# Allegro board BeagleBone AI -64_PCB_V1.02_211119.brd (continued)
## Placement (name value [footprint] x y rotation side) (continued)
C418  1uF  [EMIFIL_0402_3P]  8.44 32.66 90 top
C419  100nF  [C0201]  9.34 68.4 270 top
C420  1uF  [C0402]  9.5 58.2 270 top
C421  4.7uF  [C0603]  -18.56 14.78 270 bottom
C422  10uF  [EMIFIL_0805_3P]  9.89 32.49 90 top
C423  470nF  [C0402]  9.84 63.63 0 top
C424  470nF  [C0402]  9.84 61.73 0 top
C425  470nF  [C0402]  9.84 59.82 0 top
C426  10uF  [EMIFIL_0805_3P]  10.96 65.57 180 top
C427  4.7uF  [C0603]  10.85 57.72 270 top
C428  470nF  [C0402]  10.88 48.04 0 top
C429  470nF  [C0402]  10.88 45.5 0 top
C430  470nF  [C0402]  10.88 39.15 0 top
C431  1uF  [EMIFIL_0402_3P]  10.88 35.47 180 top
C432  1uF  [EMIFIL_0402_3P]  11.36 30.56 90 top
C433  100nF  [C0201]  -23.15 21.64 90 top
C434  10uF  [C0805]  11.82 68.11 0 top
C435  1uF  [EMIFIL_0402_3P]  12.08 63.66 180 top
C436  1uF  [EMIFIL_0402_3P]  12.08 61.76 180 top
C437  10uF  [EMIFIL_0805_3P]  12.4 60.11 180 top
C438  1uF  [EMIFIL_0402_3P]  12.61 30.55 270 top
C439  100nF  [C0201]  14.14 28.45 180 top
C440  100nF  [C0201]  13.6 6.15 0 top
C441  10uF  [EMIFIL_0805_3P]  13.93 65.56 180 top
C442  470nF  [C0402]  13.92 30.59 270 top
C443  10uF  [C0805]  14.21 7.54 0 top
C444  10uF  [EMIFIL_0805_3P]  14.32 62.39 90 top
C445  100nF  [C0201]  14.67 9.06 0 top
C446  22uF  [C0805]  15.78 27.34 270 top
C447  22uF  [C0805]  15.8 23.86 90 top
C448  470nF  [C0402]  15.43 30.61 270 top
C449  100nF  [C0201]  15.94 9.06 180 top
C450  470nF  [C0402]  16.43 30.59 270 top
C451  470nF  [C0402]  16.98 32.93 0 top
C452  470nF  [C0402]  17.56 53.54 180 top
C453  2.2uF  [C0603]  17.71 16.33 0 top
C454  10uF  [EMIFIL_0805_3P]  17.96 30.23 90 top
C455  220pF  [C0402]  19.09 27.6 0 top
C456  100nF  [C0201]  17.71 22.79 270 top
C457  470nF  [C0402]  19.14 32.93 0 top
C458  100uF  [C1210]  19.33 11.5 270 top
C459  100nF  [C0201]  19.59 14.5 180 top
C460  10nF  [C0201]  19.72 52.4 180 top
C461  10uF  [EMIFIL_0805_3P]  19.86 30.23 90 top
C462  100nF  [C0201]  21.22 68.32 0 top
C463  1uF  [C0402]  21.3 32.93 0 top
C464  47uF  [C1206]  23.43 31.24 0 top
C465  47uF  [C1206]  23.43 28.94 0 top
C466  470nF  [C0402]  23.58 32.93 0 top
C467  100uF  [C1210]  25.86 13.02 180 top
C468  10nF  [C0201]  25.87 32.93 0 top
C469  470nF  [C0402]  26.07 53.54 180 top
C470  470nF  [C0402]  26.55 34.35 270 top
C471  1uF  [EMIFIL_0402_3P]  27.72 34.48 90 top
C472  100nF  [C0201]  28.28 53.27 90 top
C473  1uF  [EMIFIL_0402_3P]  28.66 42.71 90 top
C474  1uF  [EMIFIL_0402_3P]  28.97 34.48 90 top
C475  470nF  [C0402]  29.02 38.18 270 top
C476  10uF  [C0805]  29.3 47.02 270 top
C477  1uF  [EMIFIL_0402_3P]  29.68 53.25 90 top
C478  100nF  [C0201]  30.51 16.33 90 top
C479  10uF  [EMIFIL_0805_3P]  30.8 35.01 90 top
C480  100nF  [C0201]  31.27 16.33 90 top
C481  100nF  [C0201]  31.73 57.26 0 top
C482  2.2uF  [C0603]  33.54 29.76 180 top
C483  2.2uF  [C0603]  33.54 28.11 180 top
C484  2.2uF  [C0603]  33.54 26.53 180 top
C485  2.2uF  [C0603]  33.54 25.01 180 top
C486  2.2uF  [C0603]  33.54 23.56 180 top
C487  2.2uF  [C0603]  33.54 22.09 180 top
C488  10uF  [C0805]  34.55 11.33 90 top
C489  2.2uF  [C0603]  35.65 57.73 180 top
C490  2.2uF  [C0603]  35.65 56.29 180 top
C491  2.2uF  [C0603]  35.65 54.76 180 top
C492  2.2uF  [C0603]  35.65 53.24 180 top
C493  2.2uF  [C0603]  35.65 51.79 180 top
C494  2.2uF  [C0603]  35.65 50.35 180 top
C495  4.7nF  [C0402]  36.2 42.98 90 top
C496  100nF  [C0201]  36.25 66.96 0 top
C497  10uF  [C0805]  36.35 65.64 0 top
C498  10nF  [C0201]  36.51 13.79 90 top
C499  1uF  [C0402]  37.34 13.9 90 top
C500  47uF  [C1206]  37.78 17.27 0 top
C501  10uF  [C0805]  38.15 32.11 0 top
C502  10uF  [C0805]  38.16 19.54 0 top
C503  47uF  [C1206]  38.34 34.3 0 top
C504  10pF  [C0402]  39.28 42.98 270 top
C505  47uF  [C1206]  39.41 62.29 0 top
C506  47uF  [C1206]  39.65 45.33 0 top
C507  10uF  [C0805]  40.02 66.62 180 top
C508  10uF  [C0805]  40.19 60.15 0 top
C509  10uF  [C0805]  40.22 47.5 0 top
C510  100nF  [C0201]  50.17 40.26 270 bottom
C511  100nF  [C0201]  41.09 68.49 180 top
C512  10uF  [C0805]  41.71 32.11 180 top
C513  10uF  [C0805]  42.09 19.49 180 top
C514  47uF  [C1206]  42.85 17.26 180 top
C515  47uF  [C1206]  43.54 34.26 180 top
C516  10uF  [C0805]  43.77 60.12 180 top
C517  10uF  [C0805]  44.1 47.5 180 top
C518  47uF  [C1206]  44.56 62.32 180 top
C519  47uF  [C1206]  44.73 45.33 180 top
C520  100nF  [C0201]  47.1 40.49 270 bottom
C521  10uF  [C0805]  46.76 26.76 90 top
C522  100nF  [C0201]  46.79 71.56 90 top
C523  100nF  [C0201]  48.6 65.41 270 top
C524  47uF  [C1206]  48.92 27.16 90 top
C525  10uF  [C0805]  48.95 54.76 90 top
C526  10uF  [C0805]  49.76 67.06 180 top
C527  12pF  [C0402]  50.54 62.41 270 top
C528  47uF  [C1206]  51.31 55.43 90 top
C529  12pF  [C0402]  51.91 58.92 180 top
C530  100nF  [C0201]  51.92 66.8 90 top
C531  220nF  [C0201]  -12.74 23.15 0 top
C532  220nF  [C0201]  -12.74 22.49 0 top
C533  220nF  [C0201]  -8.39 16.54 270 top
C534  220nF  [C0201]  -7.68 16.54 270 top
C535  220nF  [C0201]  -4.38 16.54 270 top
C536  220nF  [C0201]  -3.66 16.54 270 top
C537  220nF  [C0201]  -1.12 61.8 90 bottom
C538  220nF  [C0201]  -1.81 61.8 90 bottom
C539  10nF  [C0201]  -19.21 21.92 90 top
C540  100nF  [C0201]  9.2 21.55 0 top
C541  1uF  [C0402]  12.4 24.58 0 top
C542  100nF  [C0201]  12.38 25.44 0 top
C543  4.7uF  [C0603]  13.22 27.27 0 top
C544  10nF  [C0201]  4.82 24.97 270 top
C545  100nF  [C0201]  42.78 15.46 0 top
C546  100uF  [C1210]  47.42 12.42 90 top
C547  100nF  [C0201]  48.21 9.01 0 top
C548  33pF  [C0201]  21.32 13.18 90 bottom
D1  TPD1E1B04DPYR  [D0402]  49.71 31.69 270 bottom
D2  TPD1E1B04DPYR  [D0402]  48.51 31.69 270 bottom
D3  TPD1E1B04DPYR  [D0402]  46.95 17.15 0 bottom
D4  TPD1E1B04DPYR  [D0402]  46.95 16.22 0 bottom
D5  ESD122DMXR  [X2SON3_0D3_0_6X1X0_4MM]  35.14 7.01 90 bottom
D6  TPD1E05U06DPYR  [D0402_1C2A]  13.92 9.97 90 bottom
D7  6.8V  [SOT23]  13.1 63.74 0 bottom
D8  TPD1E05U06DPYR  [D0402_1C2A]  12.44 9.97 90 bottom
D9  TPD1E05U06DPYR  [D0402_1C2A]  10.99 9.97 90 bottom
D10  TPD1E05U06DPYR  [D0402_1C2A]  9.59 9.97 90 bottom
D11  TPD1E05U06DPYR  [D0402_1C2A]  8.32 9.97 90 bottom
D12  TPD1E05U06DPYR  [D0402_1C2A]  6.93 9.97 90 bottom
D13  ESD122DMXR  [X2SON3_0D3_0_6X1X0_4MM]  -6.06 12.47 270 bottom
D14  ESD122DMXR  [X2SON3_0D3_0_6X1X0_4MM]  -8.07 12.47 270 bottom
D15  ESD122DMXR  [X2SON3_0D3_0_6X1X0_4MM]  -10.11 12.47 270 bottom
D16  ESD122DMXR  [X2SON3_0D3_0_6X1X0_4MM]  -12.14 12.47 270 bottom
D17  ESD122DMXR  [X2SON3_0D3_0_6X1X0_4MM]  -14.18 12.47 270 bottom
D18  ESD122DMXR  [X2SON3_0D3_0_6X1X0_4MM]  -16.19 12.47 270 bottom
D19  TPD1E1B04DPYR  [D0402]  -18.82 12.65 180 bottom
D20  B130L-13-F  [DO_214AC_SMA]  -41.47 20.94 180 top
D21  B130L-13-F  [DO_214AC_SMA]  -35.81 17.96 180 bottom
D22  TPD1E1B04DPYR  [D0402]  -40.07 47.59 90 top
D23  TPD1E1B04DPYR  [D0402]  -29.83 55.32 90 top
D24  TPD1E1B04DPYR  [D0402]  -29.34 21.36 90 top
D25  TPD1E1B04DPYR  [D0402]  -29.15 59.77 180 top
D26  TPD1E1B04DPYR  [D0402]  -29.15 58.75 180 top
D27  TPD1E1B04DPYR  [D0402]  -29.15 57.61 180 top
D28  TPD1E1B04DPYR  [D0402]  -29.15 53.19 180 top
D29  TPD1E1B04DPYR  [D0402]  -29.15 52.15 180 top
D30  TPD1E1B04DPYR  [D0402]  -28.49 25.82 180 top
D31  TPD1E1B04DPYR  [D0402]  -26.87 22.8 0 top
D32  TPD1E1B04DPYR  [D0402]  -26.87 21.78 0 top
D33  TPD1E1B04DPYR  [D0402]  -25.31 28.23 180 top
D34  TPD1E1B04DPYR  [D0402]  -22.63 22.8 0 top
D35  TPD1E1B04DPYR  [D0402]  -21.72 27.27 90 top
D36  TPD1E05U06DPYR  [D0402_1C2A]  7.42 7.55 90 top
D37  TPD1E05U06DPYR  [D0402_1C2A]  8.68 7.55 90 top
D38  TPD1E05U06DPYR  [D0402_1C2A]  10.34 7.55 90 top
D39  TPD1E05U06DPYR  [D0402_1C2A]  11.61 7.55 90 top
D40  ESD122DMXR  [X2SON3_0D3_0_6X1X0_4MM]  17.9 20.53 0 top
D41  PMEG3010CEJ  [SOD_323]  18.04 17.78 0 top
D42  ESD122DMXR  [X2SON3_0D3_0_6X1X0_4MM]  50.97 73.04 90 top
D43  ESD122DMXR  [X2SON3_0D3_0_6X1X0_4MM]  35.33 5.46 90 top
D44  ESD122DMXR  [X2SON3_0D3_0_6X1X0_4MM]  39.49 5.46 90 top
D45  ESD122DMXR  [X2SON3_0D3_0_6X1X0_4MM]  39.27 7.01 90 bottom
D46  ESD122DMXR  [X2SON3_0D3_0_6X1X0_4MM]  37.12 7.01 90 bottom
D47  ESD122DMXR  [X2SON3_0D3_0_6X1X0_4MM]  45.37 6.52 0 top
D48  TPD1E1B04DPYR  [D0402]  -37.91 13.65 180 top
D49  TPD1E1B04DPYR  [D0402]  -37.91 12.69 180 top
FL1  120R  [L0603]  35.16 52.02 180 bottom
FL2  120R  [L0603]  19.86 55.8 90 bottom
FL3  120R  [L0603]  7.64 64.51 180 bottom
FL4  120R  [L0603]  5.6 29.38 90 bottom
FL5  120R  [L0603]  -0.58 30 180 bottom
FL6  120R  [L0603]  -4.05 30.74 90 bottom
FL7  120R  [L0603]  -7.46 30.72 90 bottom
FL8  120R  [L0603]  -37.45 30.55 270 top
FL9  120R  [L0603]  11.78 22.52 90 top
FL10  120R  [L0603]  -24.45 24.65 90 top
FL11  120R  [L0603]  13.23 22.52 90 top
FL12  120R  [L0603]  -19.06 24.7 90 top
FL13  120R  [L0603]  -13.78 31.06 180 top
FL14  120R  [L0603]  -13.35 64.12 0 top
FL15  120R  [L0603]  -10.57 31.19 0 top
FL16  120R  [L0603]  -7.46 30.72 90 top
FL17  120R  [L0603]  -7.11 68.19 0 top
FL18  120R  [L0603]  -4.05 30.74 90 top
FL19  120R  [L0603]  -2.15 65.97 0 top
FL20  120R  [L0603]  -0.58 30 180 top
FL21  120R  [L0603]  0.9 65.97 0 top
FL22  120R  [L0603]  5.05 27.12 0 top
FL23  120R  [L0603]  5.07 29.65 180 top
FL24  120R  [L0603]  5.89 20.21 180 top
FL25  120R  [L0603]  7.7 29.36 90 top
FL26  120R  [L0603]  12.33 57.72 90 top
J1  4P-1.25mm-90D  [HEADER4_2P_1D25_SMD_10X5_3X3_6MM]  -40.82 13.36 270 top
J2  B3B-ZR(LF)(SN)  [CON3B35X60]  51.47 21.45 90 bottom
J3  B3B-ZR(LF)(SN)  [CON3B35X60]  51.47 13.95 90 bottom
J4  AS0BC27-S40BE-7H  [CON_MINIPEX_067_SMT_RA_M2_KEYE_C]  42.48 70.07 180 bottom
J5  UBF31-2347-1  [USB_MTCONN_UBF31-2347-1]  37.42 5.02 180 bottom
J6  DC630-20D01  [CONN3-PWR-DC630]  25.87 7.49 270 bottom
J7  3VM11201-D730-7H  [DP20_0D6_9_8X11_8X5_9MM]  10.33 0.99 180 bottom
J8  UAA111C-84161-4H  [USB3_1_2D0_17_5X13_6X15_69MM]  -11.18 3.43 180 bottom
J9  LPJG0933HENL  [RJ45_18P_LPJG0801HBNL]  -30.08 4.53 180 bottom
J10  Header 2x8 1.27mm  [HEADER2X8_SMD_1D27]  -43.54 12.18 270 bottom
J11  TC2050-IDC  [CONNECT10_1D27_12_4X6_7MM]  -44.42 42.27 270 top
J12  YL004-030-001  [MICRO_SD_15X14_3X1_8MM]  -32.44 51.02 90 top
J13  FPC 22P 0.5mm  [FPC22_0D5_15_4X5_25X2MM_0D5_DX_NPWB]  -20.78 70.61 180 top
J15  FPC 22P 0.5mm  [FPC22_0D5_15_4X5_25X2MM_0D5_DX_NPWB]  3.94 70.61 180 top
J16  FPC 22P 0.5mm  [FPC22_0D5_15_4X5_25X2MM_0D5_DX_NPWB]  36.4 70.61 180 top
L1  90R  [L2012]  36.27 9.28 270 bottom
L2  1.8uH  [L7572_XAL7070]  26.08 14.62 270 bottom
L3  90R  [L2012]  13.14 12.67 270 bottom
L4  90R  [L2012]  10.32 12.67 270 bottom
L5  90R  [L2012]  7.63 12.67 270 bottom
L6  90R  [L2012]  -6.06 15 270 bottom
L7  90R  [L2012]  -8.03 15 270 bottom
L8  90R  [L2012]  -10.12 15 270 bottom
L9  90R  [L2012]  -12.15 15 270 bottom
L10  90R  [L2012]  -14.17 15 270 bottom
L11  90R  [L2012]  -16.2 15 270 bottom
L12  90R  [L2012]  8.06 10.21 270 top
L13  90R  [L2012]  10.99 11.49 270 top
L14  90R  [L2012]  15.51 20.52 0 top
L15  0.47uH  [L4242]  32.11 40.16 90 top
L16  0.47uH  [L1008]  33.65 33.14 90 top
L17  0.47uH  [L1008]  33.71 18.26 270 top
L18  0.47uH  [L1008]  35.47 61.14 90 top
L19  0.47uH  [L1008]  35.5 46.26 270 top
L20  0.47uH  [L1008]  47.63 18.32 270 top
L21  0.47uH  [L1008]  47.64 33.14 90 top
L22  0.47uH  [L1008]  47.88 23.22 0 top
L23  0.47uH  [L1008]  48.51 61.19 90 top
L24  0.47uH  [L1008]  48.67 46.29 270 top
L25  0.47uH  [L1008]  50.17 51.48 0 top
L26  90R  [L2012]  50.99 70.45 90 top
L27  90R  [L2012]  41.38 7.51 180 top
L28  90R  [L2012]  41.48 7.47 180 bottom
L29  90R  [L2012]  36.81 7.51 180 top
L30  90R  [L2012]  34.12 9.25 270 bottom
LED1  Green  [LED0603]  52.05 34.15 180 bottom
LED2  Green  [LED0603]  52.05 32.49 180 bottom
LED3  Green  [LED0603]  52.05 30.89 180 bottom
LED4  Green  [LED0603]  52.05 29.29 180 bottom
LED5  Green  [LED0603]  52.05 27.69 180 bottom
LED6  Green  [LED0603]  52.05 26.13 180 bottom
MH1  Hole 3.175MM  [MTGH200C125D_PL]  -45.49 73.55 180 bottom
MH2  Hole 3.175MM  [MTGH200C125D_PL]  -45.34 32.23 180 bottom
MH3  Hole 3.175MM  [MTGH200C125D_PL]  -44.37 -0.09 180 bottom
MH4  Hole 3.175MM  [PTH_4_45MM_6D5]  -42.09 68.47 180 bottom
MH5  Hole 3.175MM  [PTH_4_45MM_6D5]  -42.09 26.56 180 bottom
MH6  Hole 3.175MM  [PTH_4_45MM_6D5]  23.95 71.65 180 bottom
MH7  Hole 3.175MM  [PTH_4_45MM_6D5]  29.03 23.39 180 bottom
MH8  2E0BC21-A40TP-7H  [PTH_4_2MM_5D8]  42.48 40.19 180 bottom
MH9  Hole 3.175MM  [MTGH200C125D_PL]  50.36 -0.09 180 bottom
NOREF  -  []  -206.76 -78.19 0 top
NOREF#2  -  []  -587.9 -98.21 0 top
NOREF#3  -  []  -1.22 -98.77 0 top
P8  Header 2x23 2.54mm  [HEADER2X23P_2D54_SMD_PTH]  -9.07 71.65 180 bottom
P9  Header 2x25 2.54mm  [HEADER2X25P_2D54_SMD_PTH]  -6.53 23.39 180 bottom
Q1  IRLML6402TRPBF  [SOT23]  -37.25 56.9 0 bottom
Q2  CSD17575Q3  [VSON8_0D65_3_3X3_3X1MM]  22.87 17.57 90 top
Q3  CSD17308Q3  [VSON8_0D65_3_3X3_3X1MM]  26.69 17.54 270 top
Q4  BSS138W  [SOT-323-3]  49.09 69.53 0 top
Q5  BSS138W  [SOT-323-3]  -43.15 5.79 0 top
Q6  BSS138W  [SOT-323-3]  -45.41 5.79 0 top
R1  0R  [R0201]  47.15 43.02 180 top
R2  26.1K  [R0201]  49 57.25 270 bottom
R3  21K  [R0201]  48.29 57.25 270 bottom
R4  0R  [R0201]  47.58 57.25 270 bottom
R5  10K  [R0201]  46.72 64.21 90 bottom
R6  4.7K  [R0402]  45.65 57 0 bottom
R7  0R  [R0201]  44.6 57.85 180 bottom
R8  1K  [R0402]  44.46 29.84 180 bottom
R9  0R  [R1206]  43.91 -0.09 90 bottom
R10  10K  [R0201]  43.89 24.97 270 bottom
R11  10K  [R0201]  43.86 28.54 270 bottom
R12  0R  [R0201]  48.04 9.15 0 bottom
R13  10K  [R0201]  42.05 57.63 270 bottom
R14  4.7K  [R0402]  48.34 8.23 0 bottom
R15  0R  [R0201]  41.29 57.64 270 bottom
R16  20K  [R0402]  40.47 14.38 90 bottom
R17  4.7K  [R0402]  48.34 6.96 0 bottom
R18  10K  [R0201]  39.99 29.6 270 bottom
R19  10K  [R0201]  39.86 64.21 270 bottom
R20  2.2K  [R0201]  39.81 57.85 0 bottom
R21  10K  [R0201]  39.54 14.72 270 bottom
R22  4.7K  [R0402]  48.34 5.95 0 bottom
R23  0R  [R0201]  39.22 29.58 270 bottom
R24  10K  [R0201]  39.16 64.21 270 bottom
R25  5.1K  [R0402]  45.35 7.75 180 top
R26  0R  [R0201]  38.87 14.72 90 bottom
R27  10K  [R0201]  38.45 64.21 90 bottom
R28  10K  [R0201]  37.74 64.21 90 bottom
R29  0R  [R0406]  37.01 59.74 180 bottom
R30  5.1K  [R0402]  45.38 5.21 180 top
R31  0R  [R0406]  34.68 49.84 180 bottom
R32  0R  [R0406]  34.19 19.89 270 bottom
R33  0R  [R0406]  32.14 28.45 90 bottom
R34  0R  [R0406]  32.12 44.08 90 bottom
R35  0.005R  [R1206]  31.65 12.65 90 bottom
R36  10K  [R0201]  29.95 55.34 180 bottom
R37  100R  [R0201]  29.47 70.21 90 bottom
R38  10K  [R0201]  29.02 39.48 90 bottom
R39  10K  [R0201]  26.6 48.42 270 bottom
R40  10K  [R0201]  23.13 64.19 90 bottom
R41  33R  [R0201]  23.13 62.59 90 bottom
R42  240R  [R0201]  22.95 36.36 90 bottom
R43  240R  [R0201]  21.8 36.36 90 bottom
R44  10K  [R0201]  21.25 53.5 180 bottom
R45  2.05K  [R0201]  20.33 9.96 270 bottom
R46  0R  [R0201]  18.42 54.28 0 bottom
R47  10K  [R0201]  17.91 7.79 0 bottom
R48  0R  [R0201]  16.85 55.7 0 bottom
R49  0R  [R0201]  16.85 54.26 0 bottom
R50  2.2K  [R0201]  16.83 58.89 180 bottom
R51  2.2K  [R0201]  16.83 58.12 180 bottom
R52  2.2K  [R0201]  16.83 57.06 180 bottom
R53  0R  [R0201]  16.82 56.39 0 bottom
R54  2.2K  [R0201]  16.82 55.02 180 bottom
R55  0R  [R0201]  16.52 62.92 90 bottom
R56  10K  [R0201]  16.49 8.89 90 bottom
R57  0R  [R0201]  15.47 32.46 270 bottom
R58  3.4K  [R0201]  15.35 62.97 90 bottom
R59  44.2K  [R0402]  14.8 14.22 270 bottom
R60  0R  [R0201]  14.79 16.37 180 bottom
R61  0R  [R0201]  14.79 15.61 180 bottom
R62  0R  [R0201]  14.56 32.46 270 bottom
R63  2.2K  [R0201]  14.54 58.33 180 bottom
R64  2.2K  [R0201]  14.54 57.51 180 bottom
R65  10K  [R0201]  14.54 59.06 180 bottom
R66  10K  [R0201]  13.73 47.33 90 bottom
R67  0R  [R0201]  13.49 58.76 90 bottom
R68  10K  [R0201]  13.19 32.46 270 bottom
R69  0R  [R0201]  12.43 32.46 270 bottom
R70  10K  [R0201]  11.61 58.22 90 bottom
R71  9.09K  [R0402]  11.61 56.41 270 bottom
R72  0R  [R0201]  11.56 32.46 270 bottom
R73  0R  [R0201]  10.85 32.46 270 bottom
R74  16.5K  [R0201]  10.25 62.77 90 bottom
R75  2.2K  [R0201]  9.85 61.08 180 bottom
R76  2.2K  [R0201]  9.85 60.42 180 bottom
R77  0R  [R0201]  9.53 56.69 0 bottom
R78  0R  [R0201]  9.53 55.55 0 bottom
R79  10K  [R0201]  9.52 62.77 90 bottom
R80  10R  [R0402]  6.66 58.57 90 bottom
R81  499R  [R0402]  6.65 56.4 90 bottom
R82  200K  [R0402]  51.16 4.8 180 top
R83  240R  [R0201]  4.91 42.78 315 bottom
R84  10K  [R0201]  4.82 8.51 180 bottom
R85  100K  [R0402]  3.3 13.98 180 bottom
R86  20K  [R0402]  3.1 8.48 0 bottom
R87  10K  [R0201]  1.33 49.87 90 bottom
R88  3.01K  [R0402]  0.09 57.56 0 bottom
R89  3.01K  [R0402]  -0.68 41.56 0 bottom
R90  499R  [R0402]  -1.49 57.18 135 bottom
R91  49.9R  [R0201]  -3.46 64.57 90 bottom
R92  499R  [R0402]  -3.47 41.18 270 bottom
R93  0R  [R0201]  -3.65 63.34 90 bottom
R94  3.01K  [R0402]  -3.85 57.56 0 bottom
R95  0R  [R0201]  -4.41 63.34 90 bottom
R96  49.9R  [R0201]  -4.65 64.57 90 bottom
R97  3.01K  [R0402]  -4.89 56.37 270 bottom
R98  499R  [R0402]  -5.98 41.99 90 bottom
R99  499R  [R0402]  -7.1 41.19 315 bottom
R100  3.01K  [R0402]  -9.49 57.56 180 bottom
R101  0R  [R0201]  -15.24 64.14 90 bottom
R102  2.2K  [R0201]  -16.76 34.45 270 bottom
R103  0R  [R0201]  -16.99 64.14 90 bottom
R104  0R  [R0201]  -17.44 34.45 270 bottom
R105  0R  [R0201]  -17.77 62.79 90 bottom
R106  10K  [R0201]  -18.18 34.45 90 bottom
R107  10K  [R0201]  -18.85 34.45 90 bottom
R108  0R  [R0201]  -19.22 62.71 180 bottom
R109  0R  [R0201]  -19.25 63.58 180 bottom
R110  10K  [R0201]  -19.27 38.34 180 bottom
R111  2.2K  [R0201]  -19.29 41.87 0 bottom
R112  10K  [R0201]  -19.29 41.21 0 bottom
R113  10K  [R0201]  -19.29 40.49 180 bottom
R114  10K  [R0201]  -19.29 39.81 180 bottom
R115  10K  [R0201]  -19.29 39.13 0 bottom
R116  10K  [R0201]  -19.31 44.65 180 bottom
R117  10K  [R0201]  -19.32 45.32 180 bottom
R118  10K  [R0201]  -19.5 53.81 0 bottom
R119  10K  [R0201]  -19.5 53.11 180 bottom
R120  10K  [R0201]  -19.6 34.45 270 bottom
R121  10K  [R0201]  -20.36 34.45 90 bottom
R122  33R  [R0201]  -20.85 47.23 180 bottom
R123  10K  [R0201]  -20.86 61.91 180 bottom
R124  10K  [R0201]  -20.88 44.66 0 bottom
R125  10K  [R0201]  -20.89 45.35 180 bottom
R126  10K  [R0201]  -21.12 34.45 270 bottom
R127  0R  [R0201]  -21.78 41.44 180 bottom
R128  0R  [R0201]  -22.17 58.17 180 bottom
R129  0R  [R0201]  -22.17 56.57 180 bottom
R130  0R  [R0201]  -22.19 59.21 180 bottom
R131  0R  [R0201]  -22.22 61.06 180 bottom
R132  0R  [R0201]  -22.22 60.12 180 bottom
R133  10K  [R0201]  -22.23 61.92 0 bottom
R134  2.2K  [R0201]  -22.58 46.14 0 bottom
R135  10K  [R0201]  -22.87 51.01 180 bottom
R136  10K  [R0201]  -22.88 51.73 0 bottom
R137  10K  [R0201]  -23.62 43 0 bottom
R138  10K  [R0201]  -23.63 43.7 180 bottom
R139  10K  [R0201]  -25.93 44.31 0 bottom
R140  10K  [R0201]  -25.95 44.97 180 bottom
R141  3K  [R0402]  -26.25 42.96 180 bottom
R142  11K  [R0402]  -26.25 41.64 0 bottom
R143  10K  [R0201]  -26.59 40.08 0 bottom
R144  10K  [R0201]  -26.6 40.75 180 bottom
R145  10K  [R0201]  -28.44 46.12 180 bottom
R146  10K  [R0201]  -28.44 45.4 180 bottom
R147  2.2K  [R0201]  -29.68 47.51 180 bottom
R148  10K  [R0201]  -29.68 46.12 0 bottom
R149  10K  [R0201]  -29.68 45.43 0 bottom
R150  0R  [R0201]  -30.32 52.25 180 bottom
R151  0R  [R0201]  -30.32 50.93 180 bottom
R152  10K  [R0201]  -32.34 60.59 270 bottom
R153  10K  [R0201]  -33.01 60.59 270 bottom
R154  11K  [R0402]  -33.9 28.88 0 bottom
R155  10K  [R0201]  -36.3 46.33 180 bottom
R156  10K  [R0201]  -36.3 47.23 180 bottom
R157  1K  [R0402]  -37.2 59.45 0 bottom
R158  0R  [R0201]  -27.98 4.7 270 top
R159  4.7K  [R0402]  -38.87 49.34 90 bottom
R160  4.7K  [R0402]  -39.88 49.33 270 bottom
R161  10K  [R0201]  -40.07 46 90 top
R162  10K  [R0201]  -40.04 41.24 90 top
R163  10K  [R0201]  -18.34 15.39 90 top
R164  1.69K  [R0402]  -20.15 22.28 90 top
R165  4.7K  [R0402]  -39.67 38.81 180 top
R166  3.57K  [R0402]  -21.12 22.28 270 top
R167  5.76K  [R0402]  -34.99 37.75 0 top
R168  2.49K  [R0402]  -34.99 36.73 180 top
R169  10K  [R0201]  -34.85 44.39 180 top
R170  5.76K  [R0402]  -34.6 39.32 270 top
R171  10K  [R0201]  -34.46 41.96 0 top
R172  0R  [R0201]  -34.41 42.85 180 top
R173  10K  [R0201]  -33.62 44.39 0 top
R174  0R  [R0201]  -33.56 26.63 270 top
R175  2.49K  [R0402]  -33.55 39.32 90 top
R176  0R  [R0201]  -33.54 46.02 0 top
R177  10K  [R0201]  -32.05 44.39 180 top
R178  10K  [R0201]  -32.05 43.7 180 top
R179  5.76K  [R0402]  -31.97 39.88 180 top
R180  2.49K  [R0402]  -31.97 38.85 0 top
R181  2.2K  [R0201]  -31.86 37.41 270 top
R182  10K  [R0201]  -31.11 37.41 270 top
R183  680R  [R0402]  -30.95 4.77 90 top
R184  5.76K  [R0402]  -30.03 39.88 0 top
R185  2.49K  [R0402]  -30.03 38.85 180 top
R186  680R  [R0402]  -29.89 4.77 90 top
R187  10K  [R0201]  -29.7 44.19 270 top
R188  47K  [R0201]  -29.15 54.05 180 top
R189  47K  [R0201]  -29.15 51.28 180 top
R190  33R  [R0201]  -29.15 50.59 180 top
R191  680R  [R0402]  -28.83 4.77 90 top
R192  1K  [R0402]  -28.82 42.09 90 top
R193  10K  [R0201]  -28.69 44.49 0 top
R194  0R  [R0201]  -28.68 43.7 180 top
R195  2.49K  [R0402]  -28.59 37.41 90 top
R196  5.76K  [R0402]  -28.14 39.88 180 top
R197  2.49K  [R0402]  -28.14 38.85 0 top
R198  33R  [R0201]  -27.88 54.04 180 top
R199  2.2K  [R0201]  -27.71 41.44 180 top
R200  0R  [R0201]  -27.67 42.81 180 top
R201  47K  [R0201]  -27.63 59.73 180 top
R202  47K  [R0201]  -27.63 58.77 180 top
R203  47K  [R0201]  -27.6 57.71 180 top
R204  5.76K  [R0402]  -27.6 37.41 270 top
R205  33R  [R0201]  -26.68 37.41 270 top
R206  0R  [R0201]  -26.59 54.03 180 top
R207  33R  [R0201]  -26.43 59.74 180 top
R208  33R  [R0201]  -26.43 58.77 180 top
R209  2.2K  [R0201]  -26.41 39.96 0 top
R210  2.2K  [R0201]  -26.4 39.21 180 top
R211  0R  [R0201]  -26.4 38.55 180 top
R212  33R  [R0201]  -25.59 35.51 180 top
R213  33R  [R0201]  -25.59 34.75 180 top
R214  33R  [R0201]  -25.59 33.97 180 top
R215  33R  [R0201]  -25.59 33.29 180 top
R216  33R  [R0201]  -25.59 32.59 180 top
R217  0R  [R0201]  -24.96 44.48 180 top
R218  10K  [R0201]  -24.84 57.32 180 top
R219  0R  [R0201]  -24.84 49.35 180 top
R220  0R  [R0201]  -24.83 56.59 180 top
R221  0R  [R0201]  -24.83 55.75 180 top
R222  0R  [R0201]  -24.82 59.76 180 top
R223  0R  [R0201]  -24.82 58.78 180 top
R224  0R  [R0201]  -24.82 58.05 180 top
R225  33R  [R0201]  -24.05 32.96 270 top
R226  0R  [R0201]  -23.92 45.91 90 top
R227  0R  [R0201]  -23.88 50.04 90 top
R228  10K  [R0201]  -38.4 40.22 180 bottom
R229  10K  [R0201]  -38.4 43.44 180 bottom
R230  33R  [R0201]  -23.33 32.96 270 top
R231  10K  [R0201]  -23.01 57.57 0 top
R232  10K  [R0201]  -23.01 55.75 180 top
R233  10K  [R0201]  -23.01 55.01 0 top
R234  0R  [R0201]  -23 56.5 180 top
R235  2.2K  [R0201]  -23 53.75 0 top
R236  2.2K  [R0201]  -23 53.04 0 top
R237  33R  [R0201]  -22.64 32.96 270 top
R238  10K  [R0201]  -22.61 47.11 180 top
R239  0R  [R0201]  -22.61 45 180 top
R240  0R  [R0201]  -22.61 44.24 180 top
R241  10K  [R0201]  -22.61 46.39 0 top
R242  0R  [R0201]  -22.6 45.7 180 top
R243  10K  [R0201]  -19.22 15.39 90 top
R244  10K  [R0201]  12.38 26.19 180 top
R245  0R  [R0201]  -22.18 39.21 180 top
R246  10K  [R0201]  -22.15 39.93 0 top
R247  10K  [R0201]  -22.13 40.72 180 top
R248  33R  [R0201]  -21.9 32.96 270 top
R249  33R  [R0201]  -21.19 32.96 270 top
R250  0R  [R0201]  -21.01 52 180 top
R251  0R  [R0201]  -21 58.83 180 top
R252  0R  [R0201]  -20.99 57.6 180 top
R253  0R  [R0201]  -20.99 56.92 180 top
R254  0R  [R0201]  -20.99 54.9 180 top
R255  0R  [R0201]  -20.99 54.14 180 top
R256  0R  [R0201]  -20.99 53.38 180 top
R257  0R  [R0201]  -20.99 59.76 180 top
R258  10K  [R0201]  -20.98 56.25 0 top
R259  10K  [R0201]  -20.98 55.59 180 top
R260  0R  [R0201]  -20.89 39.94 180 top
R261  10K  [R0201]  -20.88 39.22 180 top
R262  10K  [R0201]  -20.88 48.1 180 top
R263  10K  [R0201]  -20.88 47.41 180 top
R264  0R  [R0201]  -20.87 46.1 180 top
R265  10K  [R0201]  -20.87 43.91 180 top
R266  10K  [R0201]  -20.87 46.76 180 top
R267  10K  [R0201]  -20.87 42.57 180 top
R268  10K  [R0201]  -20.87 41.91 180 top
R269  10K  [R0201]  -20.87 45.34 180 top
R270  10K  [R0201]  -20.87 44.61 0 top
R271  10K  [R0201]  -20.87 43.22 180 top
R272  10K  [R0201]  -20.87 40.71 0 top
R273  10K  [R0201]  -20.87 48.73 0 top
R274  33R  [R0201]  -20.61 49.65 90 top
R275  33R  [R0201]  -20.49 32.96 270 top
R276  10K  [R0201]  12.43 28.47 180 top
R277  1.87K  [R0402]  6.14 24.1 0 top
R278  0R  [R0201]  -18.64 62.8 90 top
R279  0R  [R0201]  -17.86 68.67 0 top
R280  0R  [R0201]  -16.97 64.15 90 top
R281  0R  [R0201]  -16.96 62.8 90 top
R282  0R  [R0201]  -16.01 64.15 90 top
R283  0R  [R0201]  -16 62.79 90 top
R284  0R  [R0201]  -15.25 64.15 90 top
R285  4.7K  [R0402]  -14.94 29.53 180 top
R286  4.7K  [R0402]  -14.94 28.58 0 top
R287  4.7K  [R0402]  -14.94 26.07 0 top
R288  0R  [R0201]  -16.72 24.58 90 top
R289  0R  [R0201]  -16.03 24.58 90 top
R290  9.53K  [R0402]  -13.2 16.73 0 top
R291  4.7K  [R0402]  -13.08 29.53 180 top
R292  4.7K  [R0402]  -13.08 28.55 180 top
R293  4.7K  [R0402]  -13.08 27.29 180 top
R294  4.7K  [R0402]  -13.08 26.06 180 top
R295  1M  [R0402]  -12.59 19.62 90 top
R296  20K  [R0402]  -10.1 29.92 0 top
